# Altium PCB PCB1.PcbDoc (part 2 of 2)
Units mil, origin at the board's own origin, x right, y up, seen from the top; angles counter-clockwise.
Board outline 1320 x 1740 mil, 2 copper layers (Top Layer, Bottom Layer); 290 components, 29 nets, 1040 pads, 0 vias.
Unrouted connection lines stored in the file: 156.
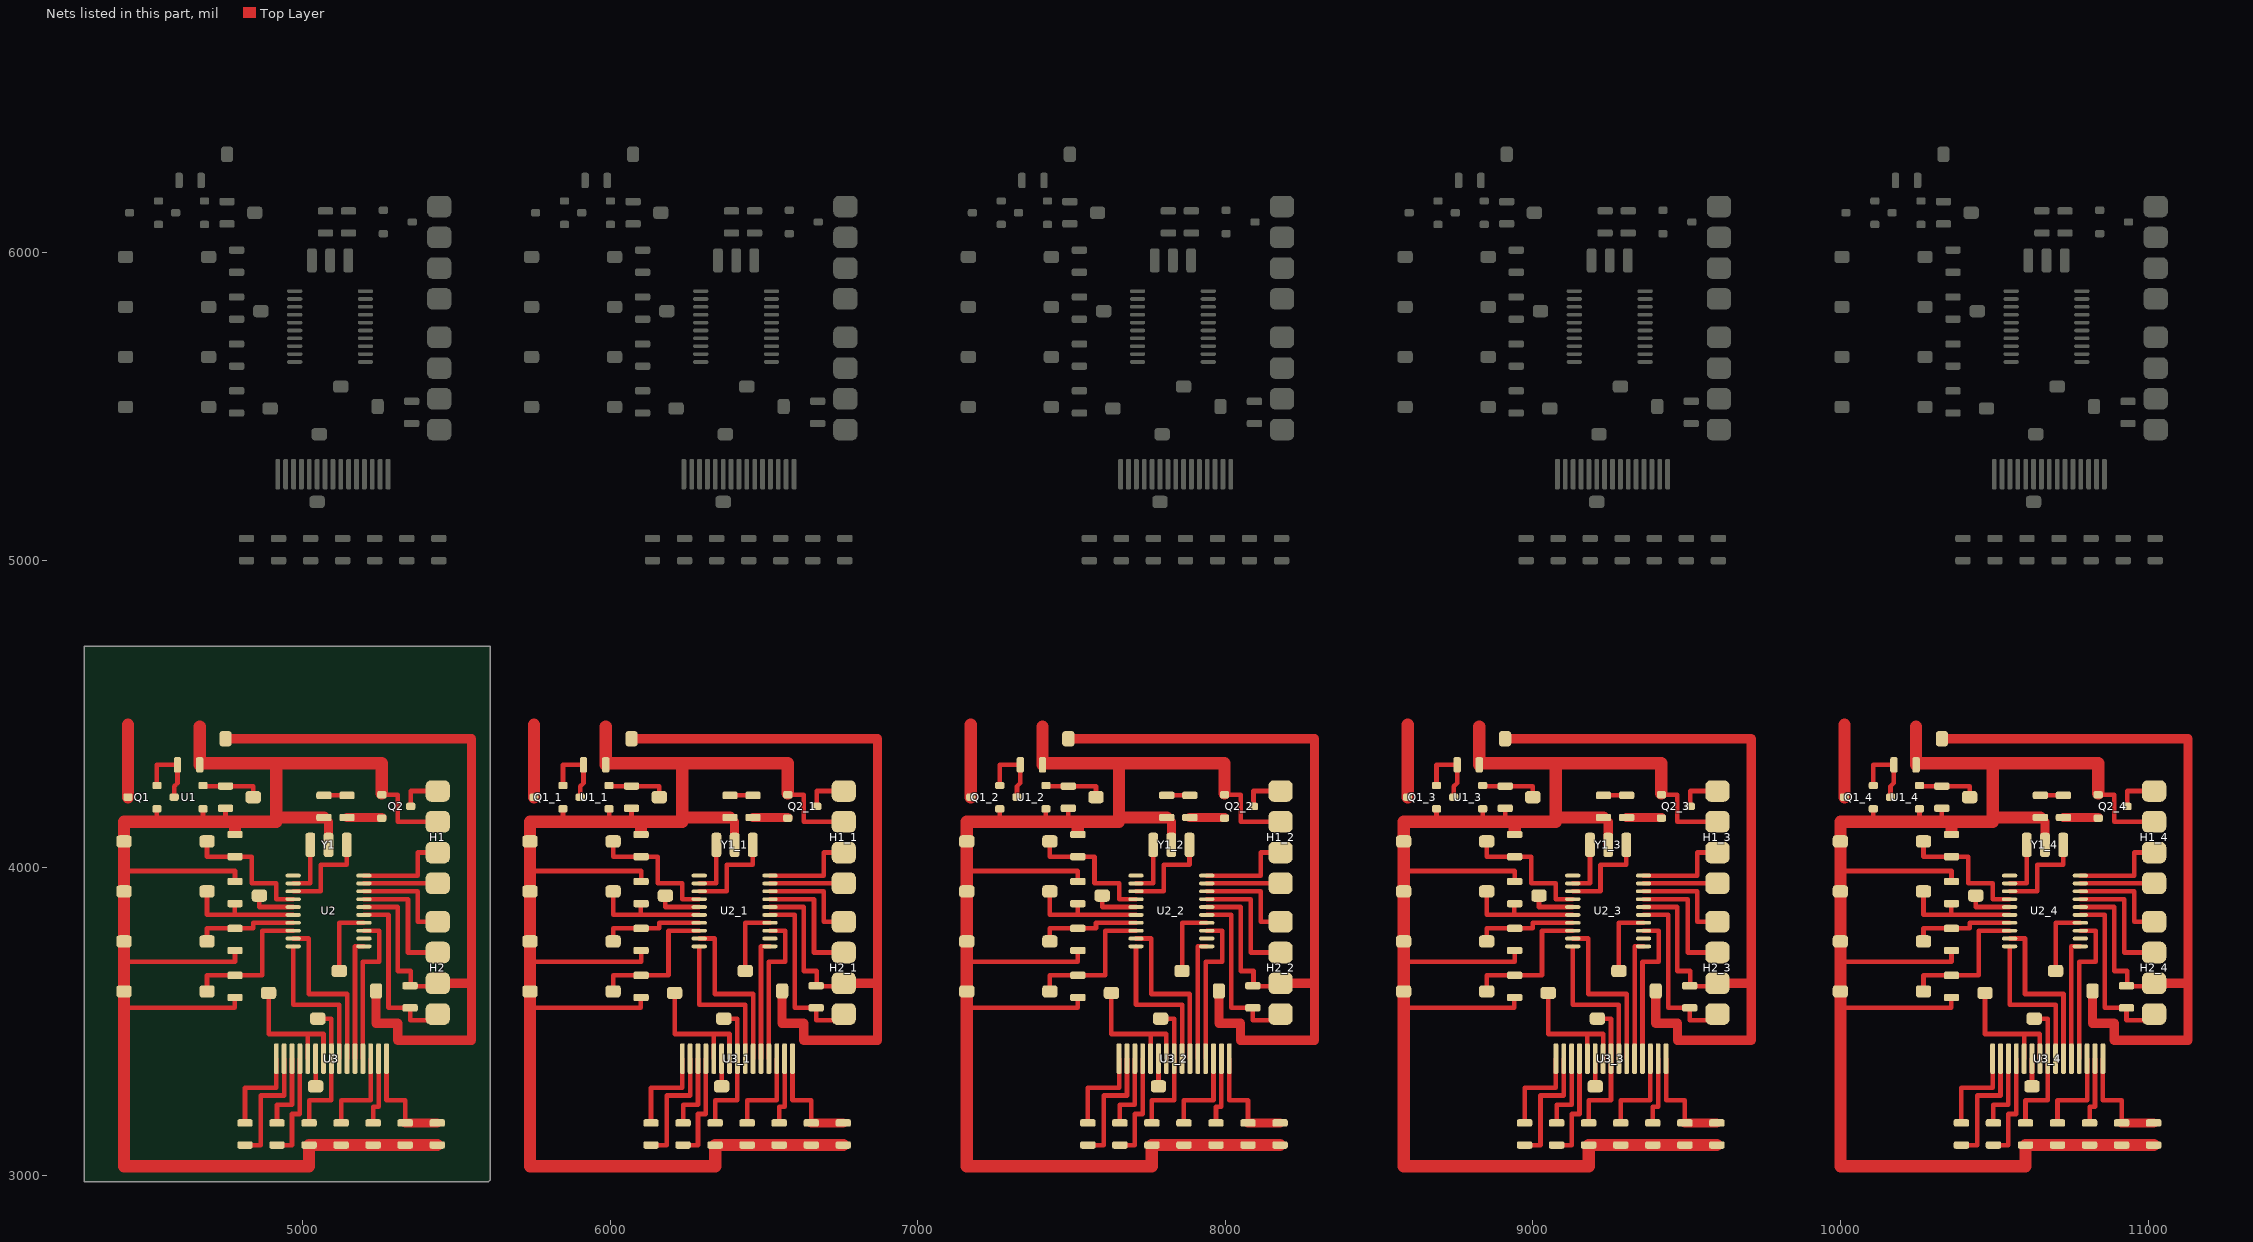
[diagram p2: the nets of this part, all layers, seen from the top]

## Nets (pads, with @x,y where several pads share a name; then routed paths per layer and width w, separated by ;. In a path a pad name is that pad's centre, name@x,y a point inside that pad or via, vN(x,y) a via of type N, cw(c..) or ccw(c..) an arc to the next point about the centre after c; other vN are vias at no path point)
3V3: C11.2 C11_1.2 C11_2.2 C11_3.2 C11_4.2 C12.2 C12_1.2 C12_2.2 C12_3.2 C12_4.2 DS1.1 DS1_1.1 DS1_2.1 DS1_3.1 DS1_4.1 H2.3 H2_1.3 H2_2.3 H2_3.3 H2_4.3 pad.2@4750,4420 pad.2@4840,4230 pad.2@4860,3910 pad.2@4890,3593.57 pad.2@5239.57,3600 pad.2@6070,4420 pad.2@6160,4230 pad.2@6180,3910 pad.2@6210,3593.57 pad.2@6559.57,3600 pad.2@7490,4420 pad.2@7580,4230 pad.2@7600,3910 pad.2@7630,3593.57 pad.2@7979.57,3600 pad.2@8910,4420 pad.2@9000,4230 pad.2@9020,3910 pad.2@9050,3593.57 pad.2@9399.57,3600 pad.2@10330,4420 pad.2@10420,4230 pad.2@10440,3910 pad.2@10470,3593.57 pad.2@10819.57,3600 Q2.2 Q2_1.2 Q2_2.2 Q2_3.2 Q2_4.2 U1.2 U1_1.2 U1_2.2 U1_3.2 U1_4.2 U2.5 U2.16 U2_1.5 U2_1.16 U2_2.5 U2_2.16 U2_3.5 U2_3.16 U2_4.5 U2_4.16 U3.5 U3.7 U3_1.5 U3_1.7 U3_2.5 U3_2.7 U3_3.5 U3_3.7 U3_4.5 U3_4.7 | length 19008.7
  Top Layer w15: U1.2@4677,4268 4677,4266 C12.2@4750,4266 4840,4266 pad.2@4840,4245 ; pad.2@4860,3910 4860,3872.8 U2.5@4970,3872.8 ; pad.2@4890,3598.57 pad.2@4890,3593.57 4890,3460 5017.36,3460 ; U3.5@5017.36,3380 5017.36,3460 ; U3.7@5068.54,3380 5068.54,3460 5017.36,3460 ; U2.16@5200,3872.8 5310,3872.8 5310,3665 5352,3665 C11.2@5352,3615 ; Q2.2@5258,4162 Q2.2@5258,4164 ; C11.2@5350,3617 5350,3625 5351.54,3617.31 C11.2@5352,3615 ; H2.3@5440,3615 C11.2@5352,3615 ; U1_1.2@5997,4268 5997,4266 C12_1.2@6070,4266 6160,4266 pad.2@6160,4245 ; pad.2@6180,3910 6180,3872.8 U2_1.5@6290,3872.8 ; pad.2@6210,3598.57 pad.2@6210,3593.57 6210,3460 6337.36,3460 ; U3_1.5@6337.36,3380 6337.36,3460 ; U3_1.7@6388.54,3380 6388.54,3460 6337.36,3460 ; U2_1.16@6520,3872.8 6630,3872.8 6630,3665 6672,3665 C11_1.2@6672,3615 ; Q2_1.2@6578,4162 Q2_1.2@6578,4164 ; C11_1.2@6670,3617 6670,3625 6671.54,3617.31 C11_1.2@6672,3615 ; H2_1.3@6760,3615 C11_1.2@6672,3615 ; U1_2.2@7417,4268 7417,4266 C12_2.2@7490,4266 7580,4266 pad.2@7580,4245 ; pad.2@7600,3910 7600,3872.8 U2_2.5@7710,3872.8 ; pad.2@7630,3598.57 pad.2@7630,3593.57 7630,3460 7757.36,3460 ; U3_2.5@7757.36,3380 7757.36,3460 ; U3_2.7@7808.54,3380 7808.54,3460 7757.36,3460 ; U2_2.16@7940,3872.8 8050,3872.8 8050,3665 8092,3665 C11_2.2@8092,3615 ; Q2_2.2@7998,4162 Q2_2.2@7998,4164 ; C11_2.2@8090,3617 8090,3625 8091.54,3617.31 C11_2.2@8092,3615 ; H2_2.3@8180,3615 C11_2.2@8092,3615 ; U1_3.2@8837,4268 8837,4266 C12_3.2@8910,4266 9000,4266 pad.2@9000,4245 ; pad.2@9020,3910 9020,3872.8 U2_3.5@9130,3872.8 ; pad.2@9050,3598.57 pad.2@9050,3593.57 9050,3460 9177.36,3460 ; U3_3.5@9177.36,3380 9177.36,3460 ; U3_3.7@9228.54,3380 9228.54,3460 9177.36,3460 ; U2_3.16@9360,3872.8 9470,3872.8 9470,3665 9512,3665 C11_3.2@9512,3615 ; Q2_3.2@9418,4162 Q2_3.2@9418,4164 ; C11_3.2@9510,3617 9510,3625 9511.54,3617.31 C11_3.2@9512,3615 ; H2_3.3@9600,3615 C11_3.2@9512,3615 ; U1_4.2@10257,4268 10257,4266 C12_4.2@10330,4266 10420,4266 pad.2@10420,4245 ; pad.2@10440,3910 10440,3872.8 U2_4.5@10550,3872.8 ; pad.2@10470,3598.57 pad.2@10470,3593.57 10470,3460 10597.36,3460 ; U3_4.5@10597.36,3380 10597.36,3460 ; U3_4.7@10648.54,3380 10648.54,3460 10597.36,3460 ; U2_4.16@10780,3872.8 10890,3872.8 10890,3665 10932,3665 C11_4.2@10932,3615 ; Q2_4.2@10838,4162 Q2_4.2@10838,4164 ; C11_4.2@10930,3617 10930,3625 10931.54,3617.31 C11_4.2@10932,3615 ; H2_4.3@11020,3615 C11_4.2@10932,3615
  Top Layer w30: pad.2@4750,4420 5550,4420 5550,3625 ; DS1.1@5145,4164 Q2.2@5258,4164 ; pad.2@5239.57,3600 5239.57,3495 5310,3495 5310,3440 5550,3440 5550,3625 ; H2.3@5440,3625 5550,3625 ; pad.2@6070,4420 6870,4420 6870,3625 ; DS1_1.1@6465,4164 Q2_1.2@6578,4164 ; pad.2@6559.57,3600 6559.57,3495 6630,3495 6630,3440 6870,3440 6870,3625 ; H2_1.3@6760,3625 6870,3625 ; pad.2@7490,4420 8290,4420 8290,3625 ; DS1_2.1@7885,4164 Q2_2.2@7998,4164 ; pad.2@7979.57,3600 7979.57,3495 8050,3495 8050,3440 8290,3440 8290,3625 ; H2_2.3@8180,3625 8290,3625 ; pad.2@8910,4420 9710,4420 9710,3625 ; DS1_3.1@9305,4164 Q2_3.2@9418,4164 ; pad.2@9399.57,3600 9399.57,3495 9470,3495 9470,3440 9710,3440 9710,3625 ; H2_3.3@9600,3625 9710,3625 ; pad.2@10330,4420 11130,4420 11130,3625 ; DS1_4.1@10725,4164 Q2_4.2@10838,4164 ; pad.2@10819.57,3600 10819.57,3495 10890,3495 10890,3440 11130,3440 11130,3625 ; H2_4.3@11020,3625 11130,3625
GND: C1.2 C1_1.2 C1_2.2 C1_3.2 C1_4.2 C2.1 C2_1.1 C2_2.1 C2_3.1 C2_4.1 C3.2 C3_1.2 C3_2.2 C3_3.2 C3_4.2 C4.2 C4_1.2 C4_2.2 C4_3.2 C4_4.2 C7.2 C7_1.2 C7_2.2 C7_3.2 C7_4.2 C8.2 C8_1.2 C8_2.2 C8_3.2 C8_4.2 C9.2 C9_1.2 C9_2.2 C9_3.2 C9_4.2 C10.2 C10_1.2 C10_2.2 C10_3.2 C10_4.2 C11.1 C11_1.1 C11_2.1 C11_3.1 C11_4.1 C12.1 C12_1.1 C12_2.1 C12_3.1 C12_4.1 H1.3 H1_1.3 H1_2.3 H1_3.3 H1_4.3 H2.4 H2_1.4 H2_2.4 H2_3.4 H2_4.4 K1.2 K1_1.2 K1_2.2 K1_3.2 K1_4.2 K2.2 K2_1.2 K2_2.2 K2_3.2 K2_4.2 K3.2 K3_1.2 K3_2.2 K3_3.2 K3_4.2 K4.2 K4_1.2 K4_2.2 K4_3.2 K4_4.2 pad.2@5042.95,3290 pad.2@6362.95,3290 pad.2@7782.95,3290 pad.2@9202.95,3290 pad.2@10622.95,3290 Q1.1 Q1_1.1 Q1_2.1 Q1_3.1 Q1_4.1 Q2.1 Q2_1.1 Q2_2.1 Q2_3.1 Q2_4.1 R1.1 R1_1.1 R1_2.1 R1_3.1 R1_4.1 R2.2 R2_1.2 R2_2.2 R2_3.2 R2_4.2 R3.2 R3_1.2 R3_2.2 R3_3.2 R3_4.2 U1.1 U1_1.1 U1_2.1 U1_3.1 U1_4.1 U2.1 U2.15 U2_1.1 U2_1.15 U2_2.1 U2_2.15 U2_3.1 U2_3.15 U2_4.1 U2_4.15 U3.6 U3_1.6 U3_2.6 U3_3.6 U3_4.6 Y1.2 Y1_1.2 Y1_2.2 Y1_3.2 Y1_4.2 | length 31242.7
  Top Layer w15: 4420,3545 4780,3545 4780,3578.86 C4.2@4781,3578.86 ; 4420,3695 4781,3695 C3.2@4781,3731.43 ; 4420,3980 4420,3990 4781,3990 C1.2@4781,3956 ; 4527,4150 Q1.1@4527,4192 ; 4675,4150 4677,4150 U1.1@4677,4192 ; 4750,4150 C12.1@4750,4194 ; 4915,4325 4915,4340 ; pad.2@5042.95,3285 U3.6@5042.95,3380 ; R1.1@5070,4164 R1.1@5085,4164 ; U2.15@5200,3847.2 5280,3847.2 5280,3545 C11.1@5350,3545 5350,3505 5440,3505 H2.4@5440,3525 ; Q2.1@5258,4238 5310,4238 5310,4150 H1.3@5440,4150 ; 5740,3545 6100,3545 6100,3578.86 C4_1.2@6101,3578.86 ; 5740,3695 6101,3695 C3_1.2@6101,3731.43 ; 5740,3980 5740,3990 6101,3990 C1_1.2@6101,3956 ; 5847,4150 Q1_1.1@5847,4192 ; 5995,4150 5997,4150 U1_1.1@5997,4192 ; 6070,4150 C12_1.1@6070,4194 ; 6235,4325 6235,4340 ; pad.2@6362.95,3285 U3_1.6@6362.95,3380 ; R1_1.1@6390,4164 R1_1.1@6405,4164 ; U2_1.15@6520,3847.2 6600,3847.2 6600,3545 C11_1.1@6670,3545 6670,3505 6760,3505 H2_1.4@6760,3525 ; Q2_1.1@6578,4238 6630,4238 6630,4150 H1_1.3@6760,4150 ; 7160,3545 7520,3545 7520,3578.86 C4_2.2@7521,3578.86 ; 7160,3695 7521,3695 C3_2.2@7521,3731.43 ; 7160,3980 7160,3990 7521,3990 C1_2.2@7521,3956 ; 7267,4150 Q1_2.1@7267,4192 ; 7415,4150 7417,4150 U1_2.1@7417,4192 ; 7490,4150 C12_2.1@7490,4194 ; 7655,4325 7655,4340 ; pad.2@7782.95,3285 U3_2.6@7782.95,3380 ; R1_2.1@7810,4164 R1_2.1@7825,4164 ; U2_2.15@7940,3847.2 8020,3847.2 8020,3545 C11_2.1@8090,3545 8090,3505 8180,3505 H2_2.4@8180,3525 ; Q2_2.1@7998,4238 8050,4238 8050,4150 H1_2.3@8180,4150 ; 8580,3545 8940,3545 8940,3578.86 C4_3.2@8941,3578.86 ; 8580,3695 8941,3695 C3_3.2@8941,3731.43 ; 8580,3980 8580,3990 8941,3990 C1_3.2@8941,3956 ; 8687,4150 Q1_3.1@8687,4192 ; 8835,4150 8837,4150 U1_3.1@8837,4192 ; 8910,4150 C12_3.1@8910,4194 ; 9075,4325 9075,4340 ; pad.2@9202.95,3285 U3_3.6@9202.95,3380 ; R1_3.1@9230,4164 R1_3.1@9245,4164 ; U2_3.15@9360,3847.2 9440,3847.2 9440,3545 C11_3.1@9510,3545 9510,3505 9600,3505 H2_3.4@9600,3525 ; Q2_3.1@9418,4238 9470,4238 9470,4150 H1_3.3@9600,4150 ; 10000,3545 10360,3545 10360,3578.86 C4_4.2@10361,3578.86 ; 10000,3695 10361,3695 C3_4.2@10361,3731.43 ; 10000,3980 10000,3990 10361,3990 C1_4.2@10361,3956 ; 10107,4150 Q1_4.1@10107,4192 ; 10255,4150 10257,4150 U1_4.1@10257,4192 ; 10330,4150 C12_4.1@10330,4194 ; 10495,4325 10495,4340 ; pad.2@10622.95,3285 U3_4.6@10622.95,3380 ; R1_4.1@10650,4164 R1_4.1@10665,4164 ; U2_4.15@10780,3847.2 10860,3847.2 10860,3545 C11_4.1@10930,3545 10930,3505 11020,3505 H2_4.4@11020,3525 ; Q2_4.1@10838,4238 10890,4238 10890,4150 H1_4.3@11020,4150
  Top Layer w30: Y1.2@5085,4075 5085,4149 ; Y1_1.2@6405,4075 6405,4149 ; Y1_2.2@7825,4075 7825,4149 ; Y1_3.2@9245,4075 9245,4149 ; Y1_4.2@10665,4075 10665,4149
  Top Layer w40: 4420,3980 K1.2@4420,3923.71 K2.2@4420,3761.14 4420,3695 K3.2@4420,3598.57 4420,3545 4420,3030 5021.67,3030 R2.2@5021.67,3099 R3.2@5125.83,3099 C8.2@5230,3099 C9.2@5334.17,3099 C10.2@5438.33,3099 ; 4420,3990 K4.2@4420,4085 ; K4.2@4420,4086.29 4420,4150 4527,4150 4675,4150 ; C2.1@4666,4335 4666,4460 ; 4677,4150 4750,4150 4781,4150 ; 4680,4340 4915,4340 5258,4340 Q2.1@5258,4242 ; C7.2@4781,4120 4781,4150 ; 4915,4325 4915,4164 ; R1.1@5070,4164 4915,4164 ; 5740,3980 K1_1.2@5740,3923.71 K2_1.2@5740,3761.14 5740,3695 K3_1.2@5740,3598.57 5740,3545 5740,3030 6341.67,3030 R2_1.2@6341.67,3099 R3_1.2@6445.83,3099 C8_1.2@6550,3099 C9_1.2@6654.17,3099 C10_1.2@6758.33,3099 ; 5740,3990 K4_1.2@5740,4085 ; K4_1.2@5740,4086.29 5740,4150 5847,4150 5995,4150 ; C2_1.1@5986,4335 5986,4460 ; 5997,4150 6070,4150 6101,4150 ; 6000,4340 6235,4340 6578,4340 Q2_1.1@6578,4242 ; C7_1.2@6101,4120 6101,4150 ; 6235,4325 6235,4164 ; R1_1.1@6390,4164 6235,4164 ; 7160,3980 K1_2.2@7160,3923.71 K2_2.2@7160,3761.14 7160,3695 K3_2.2@7160,3598.57 7160,3545 7160,3030 7761.67,3030 R2_2.2@7761.67,3099 R3_2.2@7865.83,3099 C8_2.2@7970,3099 C9_2.2@8074.17,3099 C10_2.2@8178.33,3099 ; 7160,3990 K4_2.2@7160,4085 ; K4_2.2@7160,4086.29 7160,4150 7267,4150 7415,4150 ; C2_2.1@7406,4335 7406,4460 ; 7417,4150 7490,4150 7521,4150 ; 7420,4340 7655,4340 7998,4340 Q2_2.1@7998,4242 ; C7_2.2@7521,4120 7521,4150 ; 7655,4325 7655,4164 ; R1_2.1@7810,4164 7655,4164 ; 8580,3980 K1_3.2@8580,3923.71 K2_3.2@8580,3761.14 8580,3695 K3_3.2@8580,3598.57 8580,3545 8580,3030 9181.67,3030 R2_3.2@9181.67,3099 R3_3.2@9285.83,3099 C8_3.2@9390,3099 C9_3.2@9494.17,3099 C10_3.2@9598.33,3099 ; 8580,3990 K4_3.2@8580,4085 ; K4_3.2@8580,4086.29 8580,4150 8687,4150 8835,4150 ; C2_3.1@8826,4335 8826,4460 ; 8837,4150 8910,4150 8941,4150 ; 8840,4340 9075,4340 9418,4340 Q2_3.1@9418,4242 ; C7_3.2@8941,4120 8941,4150 ; 9075,4325 9075,4164 ; R1_3.1@9230,4164 9075,4164 ; 10000,3980 K1_4.2@10000,3923.71 K2_4.2@10000,3761.14 10000,3695 K3_4.2@10000,3598.57 10000,3545 10000,3030 10601.67,3030 R2_4.2@10601.67,3099 R3_4.2@10705.83,3099 C8_4.2@10810,3099 C9_4.2@10914.17,3099 C10_4.2@11018.33,3099 ; 10000,3990 K4_4.2@10000,4085 ; K4_4.2@10000,4086.29 10000,4150 10107,4150 10255,4150 ; C2_4.1@10246,4335 10246,4460 ; 10257,4150 10330,4150 10361,4150 ; 10260,4340 10495,4340 10838,4340 Q2_4.1@10838,4242 ; C7_4.2@10361,4120 10361,4150 ; 10495,4325 10495,4164 ; R1_4.1@10650,4164 10495,4164 ; 4781,4150 4915,4150 4915,4164 ; 6101,4150 6235,4150 6235,4164 ; 7521,4150 7655,4150 7655,4164 ; 8941,4150 9075,4150 9075,4164 ; 10361,4150 10495,4150 10495,4164
k1: C1.1 C1_1.1 C1_2.1 C1_3.1 C1_4.1 K1.1 K1_1.1 K1_2.1 K1_3.1 K1_4.1 U2.6 U2_1.6 U2_2.6 U2_3.6 U2_4.6 | length 1971.5
  Top Layer w15: K1.1@4690,3923.71 4690,3847.2 4780,3847.2 ; C1.1@4781,3884 4780,3884 4780,3847.2 ; U2.6@4970,3847.2 4780,3847.2 ; K1_1.1@6010,3923.71 6010,3847.2 6100,3847.2 ; C1_1.1@6101,3884 6100,3884 6100,3847.2 ; U2_1.6@6290,3847.2 6100,3847.2 ; K1_2.1@7430,3923.71 7430,3847.2 7520,3847.2 ; C1_2.1@7521,3884 7520,3884 7520,3847.2 ; U2_2.6@7710,3847.2 7520,3847.2 ; K1_3.1@8850,3923.71 8850,3847.2 8940,3847.2 ; C1_3.1@8941,3884 8940,3884 8940,3847.2 ; U2_3.6@9130,3847.2 8940,3847.2 ; K1_4.1@10270,3923.71 10270,3847.2 10360,3847.2 ; C1_4.1@10361,3884 10360,3884 10360,3847.2 ; U2_4.6@10550,3847.2 10360,3847.2
k2: C3.1 C3_1.1 C3_2.1 C3_3.1 C3_4.1 K2.1 K2_1.1 K2_2.1 K2_3.1 K2_4.1 U2.7 U2_1.7 U2_2.7 U2_3.7 U2_4.7 | length 1702.4
  Top Layer w15: K2.1@4690,3761.14 4690,3803.43 C3.1@4781,3803.43 4840,3803.43 4840,3821.61 U2.7@4970,3821.61 ; K2_1.1@6010,3761.14 6010,3803.43 C3_1.1@6101,3803.43 6160,3803.43 6160,3821.61 U2_1.7@6290,3821.61 ; K2_2.1@7430,3761.14 7430,3803.43 C3_2.1@7521,3803.43 7580,3803.43 7580,3821.61 U2_2.7@7710,3821.61 ; K2_3.1@8850,3761.14 8850,3803.43 C3_3.1@8941,3803.43 9000,3803.43 9000,3821.61 U2_3.7@9130,3821.61 ; K2_4.1@10270,3761.14 10270,3803.43 C3_4.1@10361,3803.43 10420,3803.43 10420,3821.61 U2_4.7@10550,3821.61
k3: C4.1 C4_1.1 C4_2.1 C4_3.1 C4_4.1 K3.1 K3_1.1 K3_2.1 K3_3.1 K3_4.1 U2.8 U2_1.8 U2_2.8 U2_3.8 U2_4.8 | length 2387.3
  Top Layer w15: K3.1@4690,3598.57 4690,3650.86 C4.1@4781,3650.86 4870,3650.86 4870,3796.02 U2.8@4970,3796.02 ; K3_1.1@6010,3598.57 6010,3650.86 C4_1.1@6101,3650.86 6190,3650.86 6190,3796.02 U2_1.8@6290,3796.02 ; K3_2.1@7430,3598.57 7430,3650.86 C4_2.1@7521,3650.86 7610,3650.86 7610,3796.02 U2_2.8@7710,3796.02 ; K3_3.1@8850,3598.57 8850,3650.86 C4_3.1@8941,3650.86 9030,3650.86 9030,3796.02 U2_3.8@9130,3796.02 ; K3_4.1@10270,3598.57 10270,3650.86 C4_4.1@10361,3650.86 10450,3650.86 10450,3796.02 U2_4.8@10550,3796.02
NetC2_2: C2.2 C2_1.2 C2_2.2 C2_3.2 C2_4.2 Q1.2 Q1_1.2 Q1_2.2 Q1_3.2 Q1_4.2 U1.3 U1_1.3 U1_2.3 U1_3.3 U1_4.3 | length 1217.8
  Top Layer w15: Q1.2@4527,4268 4527,4335 C2.2@4594,4335 4594,4276 4583,4265 U1.3@4583,4230 ; Q1_1.2@5847,4268 5847,4335 C2_1.2@5914,4335 5914,4276 5903,4265 U1_1.3@5903,4230 ; Q1_2.2@7267,4268 7267,4335 C2_2.2@7334,4335 7334,4276 7323,4265 U1_2.3@7323,4230 ; Q1_3.2@8687,4268 8687,4335 C2_3.2@8754,4335 8754,4276 8743,4265 U1_3.3@8743,4230 ; Q1_4.2@10107,4268 10107,4335 C2_4.2@10174,4335 10174,4276 10163,4265 U1_4.3@10163,4230
NetC5_1: C5.1 C5_1.1 C5_2.1 C5_3.1 C5_4.1 U3.1 U3_1.1 U3_2.1 U3_3.1 U3_4.1 | length 1553.3
  Top Layer w15: C5.1@4813.33,3171 4813.33,3285 4915,3285 U3.1@4915,3380 ; C5_1.1@6133.33,3171 6133.33,3285 6235,3285 U3_1.1@6235,3380 ; C5_2.1@7553.33,3171 7553.33,3285 7655,3285 U3_2.1@7655,3380 ; C5_3.1@8973.33,3171 8973.33,3285 9075,3285 U3_3.1@9075,3380 ; C5_4.1@10393.33,3171 10393.33,3285 10495,3285 U3_4.1@10495,3380
NetC5_2: C5.2 C5_1.2 C5_2.2 C5_3.2 C5_4.2 U3.2 U3_1.2 U3_2.2 U3_3.2 U3_4.2 | length 2041.3
  Top Layer w15: C5.2@4813.33,3099 4865,3099 4865,3260 4940.59,3260 U3.2@4940.59,3380 ; C5_1.2@6133.33,3099 6185,3099 6185,3260 6260.59,3260 U3_1.2@6260.59,3380 ; C5_2.2@7553.33,3099 7605,3099 7605,3260 7680.59,3260 U3_2.2@7680.59,3380 ; C5_3.2@8973.33,3099 9025,3099 9025,3260 9100.59,3260 U3_3.2@9100.59,3380 ; C5_4.2@10393.33,3099 10445,3099 10445,3260 10520.59,3260 U3_4.2@10520.59,3380
NetC6_1: C6.1 C6_1.1 C6_2.1 C6_3.1 C6_4.1 U3.3 U3_1.3 U3_2.3 U3_3.3 U3_4.3 | length 1288.4
  Top Layer w15: C6.1@4917.5,3171 4917.5,3230 4966.18,3230 U3.3@4966.18,3380 ; C6_1.1@6237.5,3171 6237.5,3230 6286.18,3230 U3_1.3@6286.18,3380 ; C6_2.1@7657.5,3171 7657.5,3230 7706.18,3230 U3_2.3@7706.18,3380 ; C6_3.1@9077.5,3171 9077.5,3230 9126.18,3230 U3_3.3@9126.18,3380 ; C6_4.1@10497.5,3171 10497.5,3230 10546.18,3230 U3_4.3@10546.18,3380
NetC6_2: C6.2 C6_1.2 C6_2.2 C6_3.2 C6_4.2 U3.4 U3_1.4 U3_2.4 U3_3.4 U3_4.4 | length 1776.4
  Top Layer w15: C6.2@4917.5,3099 4966.18,3099 4966.18,3200 4991.77,3200 U3.4@4991.77,3380 ; C6_1.2@6237.5,3099 6286.18,3099 6286.18,3200 6311.77,3200 U3_1.4@6311.77,3380 ; C6_2.2@7657.5,3099 7706.18,3099 7706.18,3200 7731.77,3200 U3_2.4@7731.77,3380 ; C6_3.2@9077.5,3099 9126.18,3099 9126.18,3200 9151.77,3200 U3_3.4@9151.77,3380 ; C6_4.2@10497.5,3099 10546.18,3099 10546.18,3200 10571.77,3200 U3_4.4@10571.77,3380
NetC8_1: C8.1 C8_1.1 C8_2.1 C8_3.1 C8_4.1 U3.14 U3_1.14 U3_2.14 U3_3.14 U3_4.14 | length 1133.4
  Top Layer w15: C8.1@5230,3171 5230,3224 5247.68,3224 U3.14@5247.68,3380 ; C8_1.1@6550,3171 6550,3224 6567.68,3224 U3_1.14@6567.68,3380 ; C8_2.1@7970,3171 7970,3224 7987.68,3224 U3_2.14@7987.68,3380 ; C8_3.1@9390,3171 9390,3224 9407.68,3224 U3_3.14@9407.68,3380 ; C8_4.1@10810,3171 10810,3224 10827.68,3224 U3_4.14@10827.68,3380
NetC9_1: C9.1 C9_1.1 C9_2.1 C9_3.1 C9_4.1 C10.1 C10_1.1 C10_2.1 C10_3.1 C10_4.1 U3.15 U3_1.15 U3_2.15 U3_3.15 U3_4.15 | length 1870.3
  Top Layer w15: U3.15@5273.27,3380 5273.27,3245 5334.17,3245 C9.1@5334.17,3171 ; U3_1.15@6593.27,3380 6593.27,3245 6654.17,3245 C9_1.1@6654.17,3171 ; U3_2.15@8013.27,3380 8013.27,3245 8074.17,3245 C9_2.1@8074.17,3171 ; U3_3.15@9433.27,3380 9433.27,3245 9494.17,3245 C9_3.1@9494.17,3171 ; U3_4.15@10853.27,3380 10853.27,3245 10914.17,3245 C9_4.1@10914.17,3171
  Top Layer w30: C9.1@5334.17,3171 C10.1@5438.33,3171 ; C9_1.1@6654.17,3171 C10_1.1@6758.33,3171 ; C9_2.1@8074.17,3171 C10_2.1@8178.33,3171 ; C9_3.1@9494.17,3171 C10_3.1@9598.33,3171 ; C9_4.1@10914.17,3171 C10_4.1@11018.33,3171
NetDS1_2: DS1.2 DS1_1.2 DS1_2.2 DS1_3.2 DS1_4.2 R1.2 R1_1.2 R1_2.2 R1_3.2 R1_4.2 | length 375
  Top Layer w15: R1.2@5070,4236 DS1.2@5145,4236 ; R1_1.2@6390,4236 DS1_1.2@6465,4236 ; R1_2.2@7810,4236 DS1_2.2@7885,4236 ; R1_3.2@9230,4236 DS1_3.2@9305,4236 ; R1_4.2@10650,4236 DS1_4.2@10725,4236
NetH1_4: H1.4 H1_1.4 H1_2.4 H1_3.4 H1_4.4 Q2.3 Q2_1.3 Q2_2.3 Q2_3.3 Q2_4.3 | length 690
  Top Layer w15: Q2.3@5352,4200 5352,4250 H1.4@5440,4250 ; Q2_1.3@6672,4200 6672,4250 H1_1.4@6760,4250 ; Q2_2.3@8092,4200 8092,4250 H1_2.4@8180,4250 ; Q2_3.3@9512,4200 9512,4250 H1_3.4@9600,4250 ; Q2_4.3@10932,4200 10932,4250 H1_4.4@11020,4250
NetR3_1: R3.1 R3_1.1 R3_2.1 R3_3.1 R3_4.1 U3.13 U3_1.13 U3_2.13 U3_3.13 U3_4.13 | length 1526.3
  Top Layer w15: R3.1@5125.83,3171 5125.83,3245 5222.09,3245 U3.13@5222.09,3380 ; R3_1.1@6445.83,3171 6445.83,3245 6542.09,3245 U3_1.13@6542.09,3380 ; R3_2.1@7865.83,3171 7865.83,3245 7962.09,3245 U3_2.13@7962.09,3380 ; R3_3.1@9285.83,3171 9285.83,3245 9382.09,3245 U3_3.13@9382.09,3380 ; R3_4.1@10705.83,3171 10705.83,3245 10802.09,3245 U3_4.13@10802.09,3380
NetU2_2: U2.2 U2_1.2 U2_2.2 U2_3.2 U2_4.2 Y1.1 Y1_1.1 Y1_2.1 Y1_3.1 Y1_4.1 | length 906.9
  Top Layer w15: U2.2@4970,3949.57 5025.94,3949.57 Y1.1@5025.94,4075 ; U2_1.2@6290,3949.57 6345.94,3949.57 Y1_1.1@6345.94,4075 ; U2_2.2@7710,3949.57 7765.94,3949.57 Y1_2.1@7765.94,4075 ; U2_3.2@9130,3949.57 9185.94,3949.57 Y1_3.1@9185.94,4075 ; U2_4.2@10550,3949.57 10605.94,3949.57 Y1_4.1@10605.94,4075
NetU2_3: U2.3 U2_1.3 U2_2.3 U2_3.3 U2_4.3 Y1.3 Y1_1.3 Y1_2.3 Y1_3.3 Y1_4.3 | length 1625.4
  Top Layer w15: U2.3@4970,3923.98 5060,3923.98 5060,4010 5144.06,4010 Y1.3@5144.06,4075 ; U2_1.3@6290,3923.98 6380,3923.98 6380,4010 6464.06,4010 Y1_1.3@6464.06,4075 ; U2_2.3@7710,3923.98 7800,3923.98 7800,4010 7884.06,4010 Y1_2.3@7884.06,4075 ; U2_3.3@9130,3923.98 9220,3923.98 9220,4010 9304.06,4010 Y1_3.3@9304.06,4075 ; U2_4.3@10550,3923.98 10640,3923.98 10640,4010 10724.06,4010 Y1_4.3@10724.06,4075
nrst: C7.1 C7_1.1 C7_2.1 C7_3.1 C7_4.1 K4.1 K4_1.1 K4_2.1 K4_3.1 K4_4.1 U2.4 U2_1.4 U2_2.4 U2_3.4 U2_4.4 | length 2339.5
  Top Layer w15: K4.1@4690,4086.29 4690,4036.57 C7.1@4781,4036.57 4835,4036.57 4835,3950 4915,3950 4915,3898.39 U2.4@4970,3898.39 ; K4_1.1@6010,4086.29 6010,4036.57 C7_1.1@6101,4036.57 6155,4036.57 6155,3950 6235,3950 6235,3898.39 U2_1.4@6290,3898.39 ; K4_2.1@7430,4086.29 7430,4036.57 C7_2.1@7521,4036.57 7575,4036.57 7575,3950 7655,3950 7655,3898.39 U2_2.4@7710,3898.39 ; K4_3.1@8850,4086.29 8850,4036.57 C7_3.1@8941,4036.57 8995,4036.57 8995,3950 9075,3950 9075,3898.39 U2_3.4@9130,3898.39 ; K4_4.1@10270,4086.29 10270,4036.57 C7_4.1@10361,4036.57 10415,4036.57 10415,3950 10495,3950 10495,3898.39 U2_4.4@10550,3898.39
oled_cs: pad.2@5050,3510 pad.2@5119.72,3665 pad.2@6370,3510 pad.2@6439.72,3665 pad.2@7790,3510 pad.2@7859.72,3665 pad.2@9210,3510 pad.2@9279.72,3665 pad.2@10630,3510 pad.2@10699.72,3665 R2.1 R2_1.1 R2_2.1 R2_3.1 R2_4.1 U2.14 U2_1.14 U2_2.14 U2_3.14 U2_4.14 U3.8 U3_1.8 U3_2.8 U3_3.8 U3_4.8 | length 3512.5
  Top Layer w15: R2.1@5021.67,3171 5021.67,3245 5094.13,3245 U3.8@5094.13,3380 5094.13,3510 pad.2@5050,3510 pad.2@5035,3510 ; pad.2@5119.72,3670 5119.72,3821.61 U2.14@5200,3821.61 ; R2_1.1@6341.67,3171 6341.67,3245 6414.13,3245 U3_1.8@6414.13,3380 6414.13,3510 pad.2@6370,3510 pad.2@6355,3510 ; pad.2@6439.72,3670 6439.72,3821.61 U2_1.14@6520,3821.61 ; R2_2.1@7761.67,3171 7761.67,3245 7834.13,3245 U3_2.8@7834.13,3380 7834.13,3510 pad.2@7790,3510 pad.2@7775,3510 ; pad.2@7859.72,3670 7859.72,3821.61 U2_2.14@7940,3821.61 ; R2_3.1@9181.67,3171 9181.67,3245 9254.13,3245 U3_3.8@9254.13,3380 9254.13,3510 pad.2@9210,3510 pad.2@9195,3510 ; pad.2@9279.72,3670 9279.72,3821.61 U2_3.14@9360,3821.61 ; R2_4.1@10601.67,3171 10601.67,3245 10674.13,3245 U3_4.8@10674.13,3380 10674.13,3510 pad.2@10630,3510 pad.2@10615,3510 ; pad.2@10699.72,3670 10699.72,3821.61 U2_4.14@10780,3821.61
oled_dc: U2.9 U2_1.9 U2_2.9 U2_3.9 U2_4.9 U3.10 U3_1.10 U3_2.10 U3_3.10 U3_4.10 | length 2828.7
  Top Layer w15: U2.9@4970,3770.43 5020,3770.43 5020,3590 5145.31,3590 U3.10@5145.31,3380 ; U2_1.9@6290,3770.43 6340,3770.43 6340,3590 6465.31,3590 U3_1.10@6465.31,3380 ; U2_2.9@7710,3770.43 7760,3770.43 7760,3590 7885.31,3590 U3_2.10@7885.31,3380 ; U2_3.9@9130,3770.43 9180,3770.43 9180,3590 9305.32,3590 U3_3.10@9305.32,3380 ; U2_4.9@10550,3770.43 10600,3770.43 10600,3590 10725.32,3590 U3_4.10@10725.32,3380